# Altium PCB MCH_MAIN.PCBDOC (part 5 of 14) (continued)
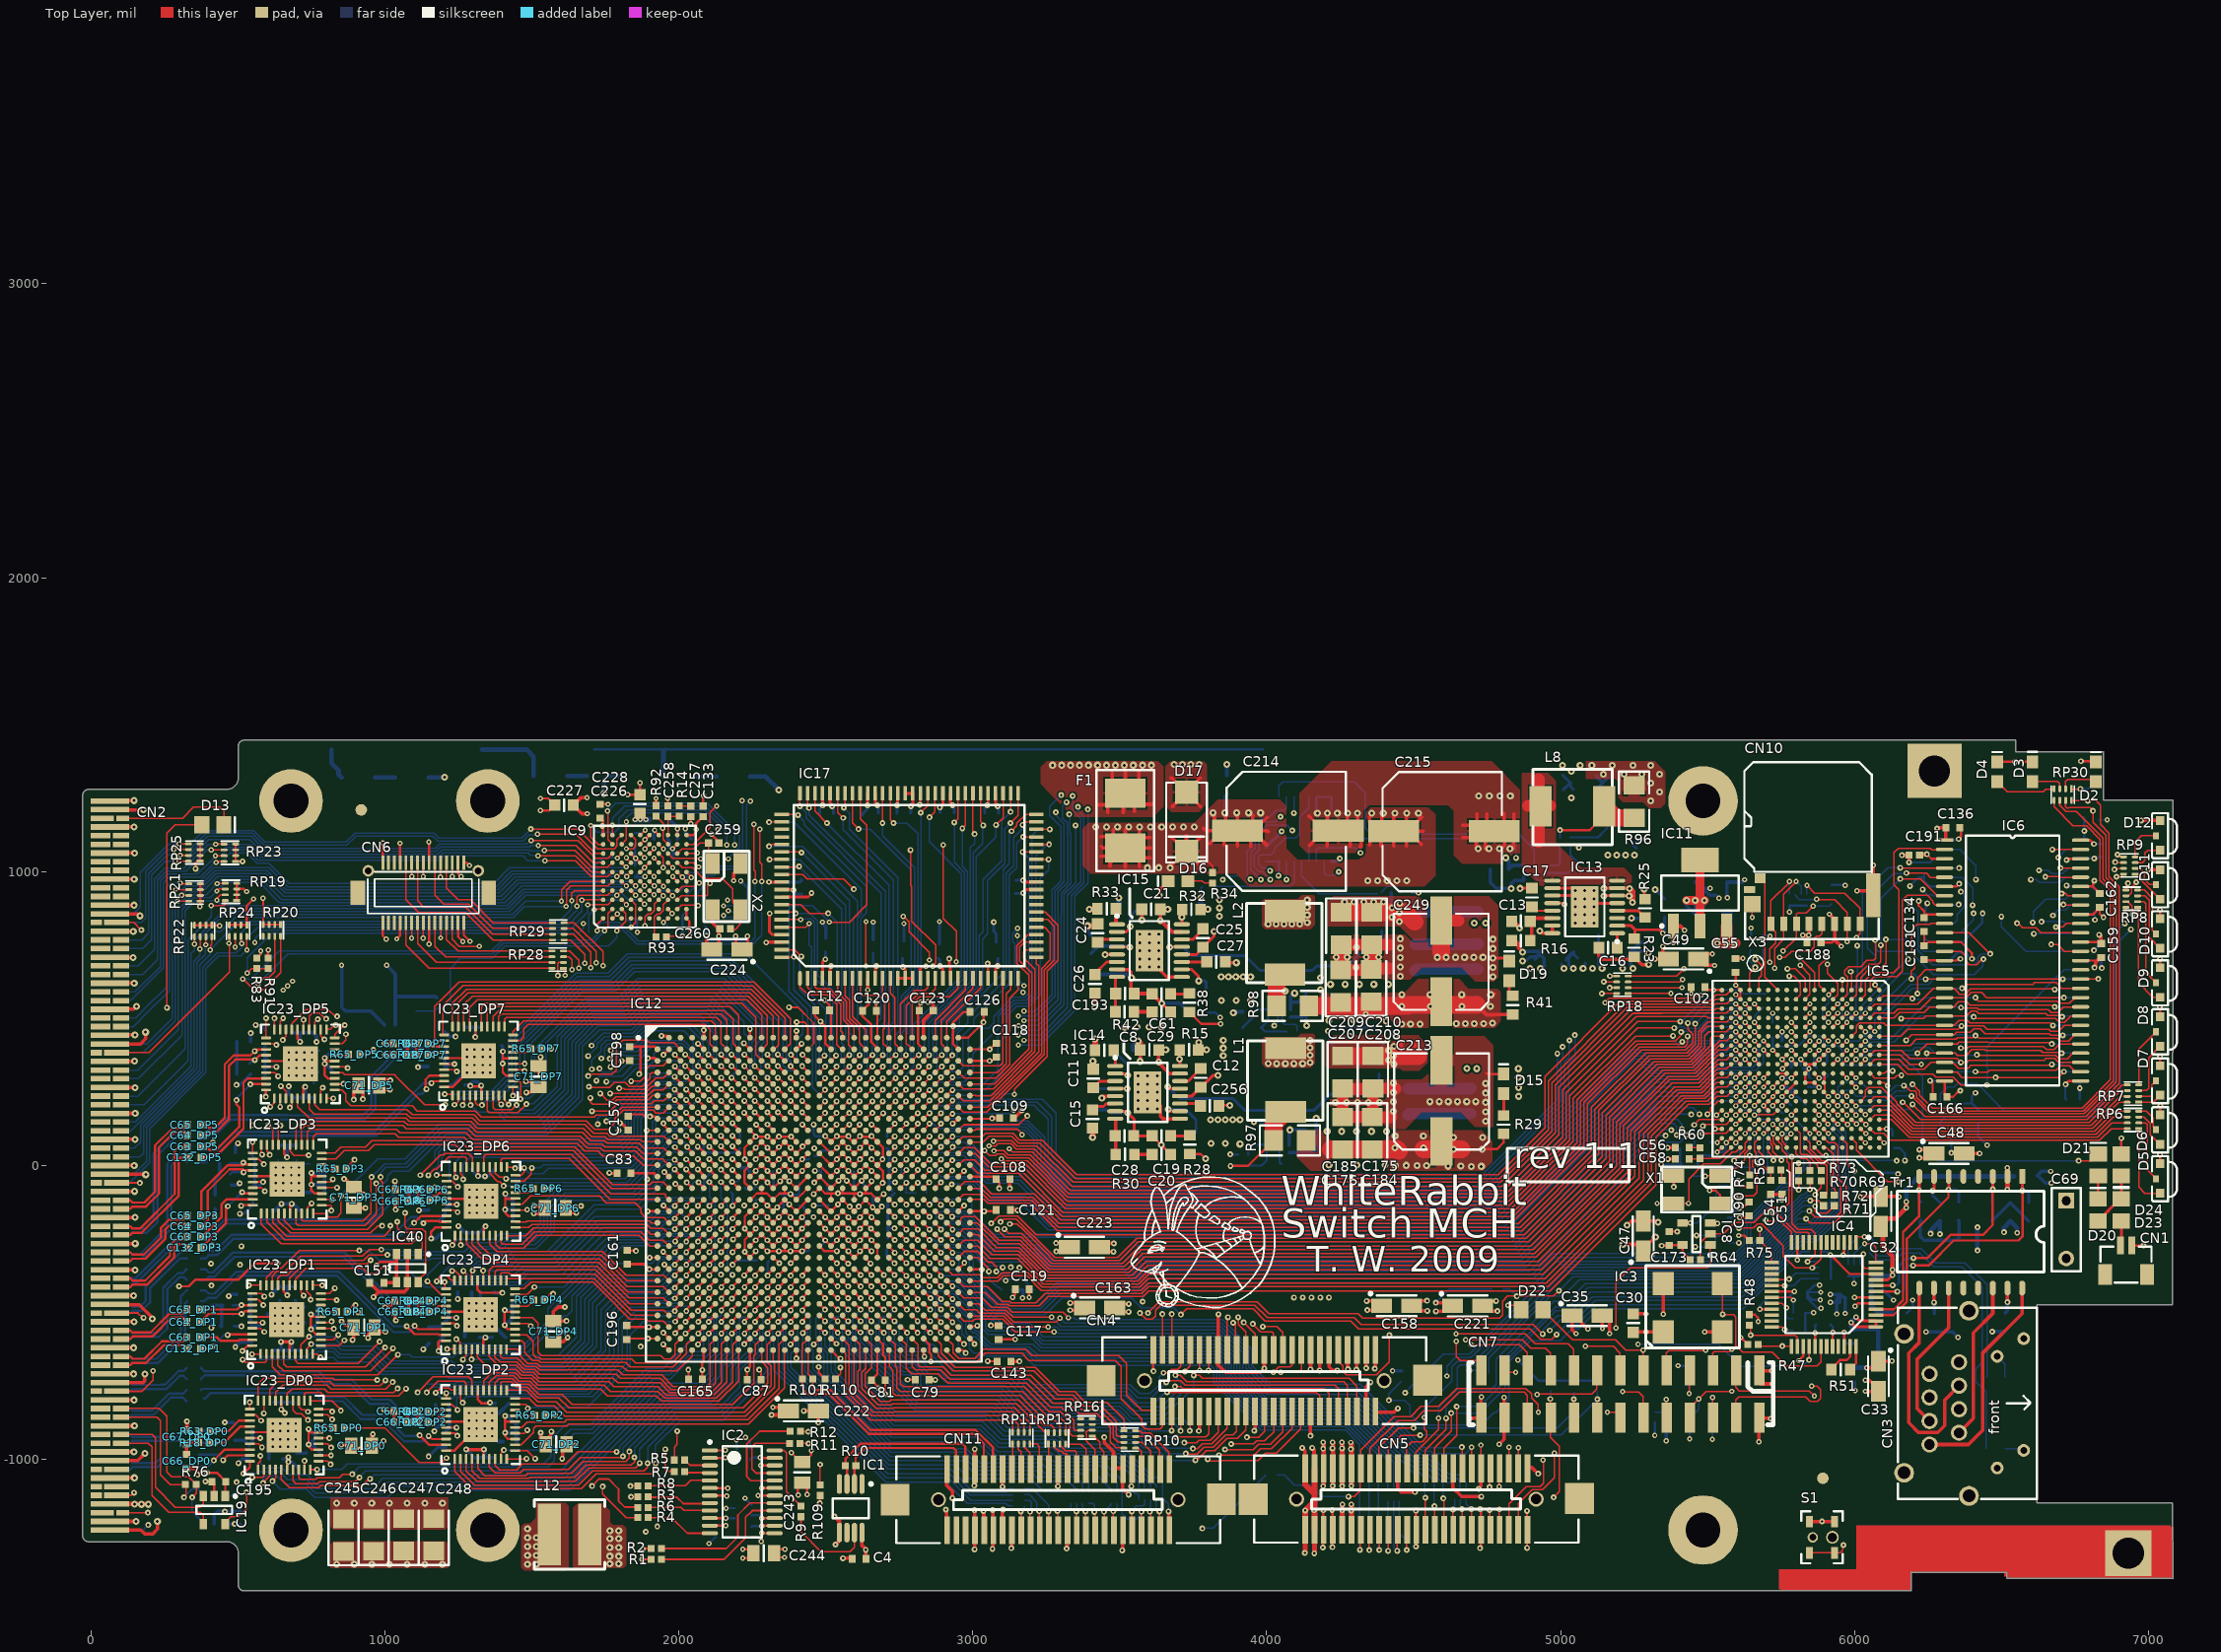
[diagram p0: Top Layer view]
## Nets (pads, with @x,y where several pads share a name; then routed paths per layer and width w, separated by ;. In a path a pad name is that pad's centre, name@x,y a point inside that pad or via, vN(x,y) a via of type N, cw(c..) or ccw(c..) an arc to the next point about the centre after c; other vN are vias at no path point) (continued)
  Top Layer w8: v2(5595.74,486.93) IC5.T5@5611.49,471.18
  Bottom Layer w5: v1(5431.47,439.73) 5436.29,444.56 5478.2,444.56 5520.57,486.93 v2(5595.74,486.93)
CPU_D27: IC5.V3 IC12.R21 | length 3477.4
  Top Layer w5: IC12.R21@2714.95,-116.38 2716.76,-116.38 v1@2732.58,-132.21 ; v2(3056,66.9) 3057,65.9 3076,65.9 3076.5,66.4 3077.95,66.4 3085.45,73.9 3130.33,73.9 3147.45,56.78 3210.32,56.78 3338,-70.9 4799.8,-70.9 4982.2,111.5 4982.2,273.7 5236.57,528.07 5523.59,528.07 5529.37,533.85 IC5.V3@5548.61,533.85
  MidLayer1 w5: v1(2734.55,-133.13) 2784.68,-83 2933.33,-83 2987,-29.33 2987,59.9 3025.5,98.4 3077.53,98.4 3086.61,89.32 3086.61,76.48 3077.03,66.9 v2(3056,66.9)
CPU_D28: IC5.U5 IC12.V23 | length 3286.4
  Top Layer w5: v1(3063,-197.1) 3088.7,-171.4 3152.58,-171.4 3216.48,-235.3 3308.6,-235.3 ; 3308.8,-235.1 3308.6,-235.3 ; IC5.U5@5579.89,471.07 5564.29,455.48 5503.49,455.48 5489.7,441.69 5489.7,401.52 5441.71,353.53 5316.83,353.53 5142,178.7 5142,30.5 4876.2,-235.3 3308.6,-235.3
  Top Layer w8: IC12.V23@2793.69,-234.49 2795.5,-234.49 v1@2811.32,-250.32
  MidLayer1 w5: v1(2813.29,-253.21) 2831.7,-234.8 2974,-234.8 ; 3006,-234.8 2974,-234.8 ; v1(3063,-197.1) 3025.3,-234.8 2974,-234.8
CPU_D29: IC5.V4 IC12.T22 | length 3369.8
  Top Layer w5: v2(3072,49.9) 3073.5,51.4 3074.22,50.68 3105.78,50.68 3121.32,35.15 3196.15,35.15 3327.4,-96.1 4814.01,-96.1 5007,96.89 5007,257.1 5257.33,507.43 5497.2,507.43 5502.53,502.1 5548.36,502.1 IC5.V4@5548.61,502.35
  Top Layer w8: IC12.T22@2754.32,-155.75 v1@2772.11,-173.55
  MidLayer1 w5: v1(2773.92,-174.47) 2795.09,-153.3 2986.8,-153.3 2996,-144.1 2996,-115.1 3040,-71.1 3040,17.9 v2(3072,49.9)
CPU_D30: IC5.R5 IC12.M27 | length 3146.8
  Top Layer w5: IC12.M27@2951.17,1.73 2969.13,19.7 2991.6,19.7 3006.77,19.7 3042.27,-15.8 3163.7,-15.8 3172.3,-24.4 ; 3168.2,-20.3 3172.3,-24.4 ; 5338.68,413.53 5345.6,413.53 ; v1(5413.75,421.03) 5406.25,413.53 5345.6,413.53 ; 3172.3,-24.4 3307.6,-159.7 4835.26,-159.7 5067.4,72.44 5067.4,219.44 5261.49,413.53 5345.6,413.53
  Top Layer w8: v2(5627.24,486.93) IC5.R5@5642.99,471.18
  Bottom Layer w5: v1(5413.75,421.03) 5441.77,421.03 5455.3,434.56 5486.66,434.56 5523.54,471.43 5611.74,471.43 v2(5627.24,486.93)
CPU_D31: IC5.T6 IC12.L27 | length 3126.9
  Top Layer w5: IC12.L27@2951.17,41.1 2951.71,41.1 2971.61,61 3004.9,61 3060.94,4.96 3178.94,4.96 3319.4,-135.5 4825.52,-135.5 5043,81.98 5043,228.98 5254.73,440.72 v1@5382.25,440.72 ; v1@5382.22,440.75 v1(5382.22,441.29)
  Top Layer w8: v2(5595.74,455.44) IC5.T6@5611.49,439.69
  Bottom Layer w5: v1@5382.25,441.26 5382.25,427.78 5406.5,403.53 5438.42,403.53 5459.44,424.56 5534.81,424.56 5565.68,455.44 v2(5595.74,455.44)
CPU_DMARQ: IC5.J16 IC12.Y24 | length 3471.2
  Top Layer w8: IC12.Y24@2833.06,-313.23 2850.85,-331.03 v1@2852.66,-331.03 ; IC5.J16@5832.08,124.4 v2(5847.83,108.65)
  Bottom Layer w5: v1(2852.66,-331.95) 2874.61,-353.9 2939.8,-353.9 3083,-497.1 3237.28,-497.1 3299,-435.38 3548.92,-435.38 3600.2,-384.1 4908.8,-384.1 4980.2,-312.7 5595.4,-312.7 5633.98,-274.12 5633.98,-257.71 ; 5634.21,-257.71 5633.98,-257.71 ; v2(5847.83,108.65) 5847.83,3.3 5771.63,-72.9 5757.49,-72.9 5633.98,-196.4 5633.98,-257.71
CPU_IRQ0: IC5.K14 IC12.Y25 | length 3517.3
  Top Layer w8: IC12.Y25@2872.43,-313.23 2890.06,-330.87 v1@2890.06,-332.99 ; v2(5784.83,171.64) IC5.K14@5800.58,187.39
  Bottom Layer w5: v1(2892.03,-331.95) 2910.67,-313.31 2939.8,-313.31 2952.8,-326.31 2952.8,-350.9 3089,-487.1 3229.83,-487.1 3294,-422.93 3543.77,-422.93 3595.05,-371.65 4903.65,-371.65 4975.6,-299.7 5594.15,-299.7 5623.98,-269.87 5623.98,-192.26 5753.35,-62.9 5767.49,-62.9 5827.67,-2.71 5827.67,128.8 v2(5784.83,171.64)
CPU_IRQ1: IC5.A10 IC12.AA25 | length 4158.9
  Top Layer w5: v1(3708,-507.1) 3727.5,-487.6 3953.5,-487.6 3995.1,-529.2 4286.2,-529.2 4313.4,-556.4 4313.7,-556.1 4897.25,-556.1 4931.75,-590.6 4970.5,-590.6 v1(4986,-575.1) ; IC5.A10@6084.05,313.37 6102.6,313.37 6111.62,322.4 v1(6129.07,322.4)
  Top Layer w8: IC12.AA25@2872.43,-352.6 2872.43,-352.76 v1@2892.03,-372.36
  MidLayer1 w5: v1(6129.07,322.4) 6129.07,307.46 6150.5,286.03 6150.5,226.77 6146.29,222.56 6146.29,208.06 6163.17,191.18 6163.17,39.07 6142,17.9 v1@6142,16.9 ; v1@6142,8.9 v1@6142,16.9 ; v1(6143,15.9) v1@6142,16.9
  Bottom Layer w5: v1(2892.03,-375.25) 2945.15,-375.25 3077,-507.1 3246,-507.1 3303.4,-449.7 3539.6,-449.7 3574,-484.1 3685,-484.1 v1(3708,-507.1) ; v1(4986,-575.1) 5022,-539.1 5058,-539.1 5123.5,-473.6 5619.35,-473.6 5766,-326.95 5766,-308.41 5804.5,-269.91 5804.5,-269.45 5825.35,-248.6 5863.5,-248.6 5980,-132.1 5980,3.9 5994,17.9 v1@6137,17.9
CPU_JNRST: CN7.11 D22.1 IC5.V15 R19.1 | length 1579.3
  Top Layer w5: D22.1@4940.4,-491.1 4940.4,-492.5 5041,-593.1 5187,-593.1 5222,-628.1 5273,-628.1 5280.18,-635.28 CN7.11@5280.18,-698.68 ; v1(5454.27,138.14) 5471.98,155.86 5501.51,155.86 ; 5501.43,156.22 IC5.V15@5548.5,156.22
  MidLayer1 w5: v2(5280,-628.1) 5379,-628.1 5421,-586.1 5421,-556.1 ; 5421,-567.1 5421,-556.1 ; v1(5454.27,138.14) 5454.27,-184.17 5479.64,-209.54 5479.64,-304.1 5421,-362.74 5421,-556.1
  Bottom Layer w5: R19.1@5441.72,57.9 5454.27,70.45 v1(5454.27,138.14)
CPU_JNTRST: CN7.10 IC5.U16 R59.2 R84.1 | length 1289.7
  Top Layer w5: CN7.10@5358.92,-860.1 5358.92,-799.18 v2@5361,-797.1 ; v1(5481.83,108.62) 5499.54,108.62 ; 5493.52,108.95 5561.47,108.95 5577.25,124.73 IC5.U16@5580,124.73
  MidLayer1 w5: v2@5361,-797.1 5441,-797.1 5454,-784.1 5454,-396.16 5513.6,-336.56 5513.6,-201.5 5475,-162.9 5475,72 5482.9,79.9 5482.9,105.76 v1@5483.8,106.65
  Bottom Layer w5: R84.1@5320,-839.38 5358,-839.38 R59.2@5359,-838.38 v2(5359,-796.1)
CPU_JRTCK: CN7.7 IC5.U15 R95.1 | length 1192.1
  Top Layer w5: v2@5437.66,-774.44 CN7.7@5437.66,-698.68 ; v1@5483.9,134.32 v1@5489.7,140.11 ; v1@5489.59,140.44 5563.47,140.44 5579.25,156.22 IC5.U15@5580,156.22
  MidLayer1 w5: v2@5438.5,-775.1 5438.5,-380.4 5494.4,-324.5 5494.4,-204.77 5464.33,-174.7 5464.33,115.87 v1@5482.67,134.21
  Bottom Layer w5: R95.1@5436,-716.82 5436,-774.1 v2(5437,-775.1)
  other v1: 5483.68,134.54
CPU_JTCK: CN7.5 IC5.R17 | length 988.4
  Top Layer w5: CN7.5@5516.4,-698.68 5516.4,-639.7 5522.15,-633.95 5573.05,-633.95 ; v1(5590.14,17.36) 5626.87,54.09 5626.87,76.36 5642.99,92.48 5642.99,92.9 IC5.R17@5642.99,93.23 ; 5573.05,-633.95 v2(5582,-625) 5573.05,-633.95
  MidLayer1 w5: v2(5582,-625) 5643.1,-625 5669.5,-598.6 5669.5,-566.6 5646.5,-543.6 5646.5,-50.4 5602.1,-6 5602.1,5.39 v1(5590.14,17.36)
CPU_JTDI: CN7.6 IC5.P17 R85.1 | length 1153.2
  Top Layer w5: CN7.6@5516.4,-860.1 v2@5516.4,-789.7 ; v1(5607,-104.1) 5656,-104.1 5668,-92.1 5668,-18.1 5653.19,-3.29 5653.19,16.09 5664,26.9 5664,43.9 5659,48.9 5659,77.3 IC5.P17@5674.6,92.9 ; IC5.P17@5674.48,92.48 5674.48,92.9 IC5.P17@5674.48,93.23
  MidLayer1 w5: v2(5517,-789.1) 5470,-742.1 5470,-623.1 5572,-521.1 5572,-139.1 v1(5607,-104.1)
  Bottom Layer w5: R85.1@5516,-839.38 5516,-790.1 v2(5517,-789.1)
CPU_JTDO: CN7.9 IC5.N18 | length 1212.4
  Top Layer w5: CN7.9@5358.92,-698.68 5358.92,-638.18 5368,-629.1 v2(5493,-629.1) ; IC5.N18@5705.98,61.4 5705.98,46.1 5723.84,28.24 v1@5723.84,18.39
  MidLayer1 w5: v2(5493,-629.1) 5533.5,-669.6 5646.5,-669.6 ; 5646,-670.1 5646.5,-669.6 ; v1(5723.7,17.59) v1@5724.92,16.37 ; v1@5724.92,17.1 v1@5724.92,16.37 ; 5646.5,-669.6 5682,-634.1 5682,-593.43 5811.5,-463.93 5811.5,-365.08 5770,-323.57 5770,-28.7 v1@5724.92,16.37
CPU_JTMS: CN7.8 IC5.N17 R86.1 | length 1323.7
  Top Layer w5: CN7.8@5437.66,-860.1 5437.66,-826.44 v2(5470,-794.1) 5495,-769.1 ; 5537,-769.1 5495,-769.1 ; v2(5582,-768.1) 5581,-769.1 5495,-769.1 ; IC5.N17@5705.98,93.23 5705.98,92.9 5707.2,92.9 5714.22,85.88 5714.22,73.61 5721.47,66.36 5721.47,48.33 v1(5751.4,18.39)
  MidLayer1 w5: v2(5582,-768.1) 5695,-655.1 5695,-594.58 5821.7,-467.88 5821.7,-361.13 5799.17,-338.6 5785.6,-325.03 5785.6,-15.81 v1(5751.4,18.39)
  Bottom Layer w5: R86.1@5439,-839.38 5459.72,-839.38 5470,-829.1 v2(5470,-794.1)
CPU_NBS1: IC5.V10 IC12.W27 | length 3047.2
  Top Layer w5: IC12.W27@2951.17,-273.86 2965.14,-259.89 2965.14,-259.64 ; 2962.98,-261.8 2965.14,-259.64 ; IC5.V10@5548.61,313.37 5531.65,313.37 5476.12,257.84 5408,257.84 5395.14,257.84 5251.51,114.21 5251.51,-36.59 4933.29,-354.81 3599.79,-354.81 3561.9,-392.7 3243.43,-392.7 3154.23,-303.5 3065.71,-303.5 3016.13,-253.93 2970.86,-253.93 2965.14,-259.64
CPU_NWAIT: IC5.P6 IC12.H26 | length 3345.6
  Top Layer w5: v1@2927.2,174.61 IC12.H26@2911.8,159.21 v1@2930.42,177.83
  Top Layer w8: v2(5658.74,455.44) IC5.P6@5674.48,439.69
  MidLayer1 w5: v1@5050.05,443.39 v1(5048.31,443.39) 5323.51,443.39 5367.18,399.72 5512.98,399.72 5584.19,470.94 5643.24,470.94 v2(5658.74,455.44)
  Bottom Layer w5: v1(2931.37,176.03) 2943,176.03 2943.48,176.51 3126.84,176.51 3151.95,151.4 3188.25,151.4 3244.2,95.45 3244.2,12.64 3324.54,-67.7 4750.66,-67.7 5026.4,208.04 5026.4,343.9 5048.31,365.81 v1(5048.31,443.39) 5049.07,443.39 v1@5052.42,440.04
CPU_RD: IC5.U10 IC12.W28 | length 3030.9
  Top Layer w5: IC12.W28@2990.54,-273.86 2990.79,-273.61 3017.31,-273.61 3059.4,-315.7 3152.28,-315.7 3239.68,-403.1 3565.64,-403.1 3598.51,-370.23 4939.67,-370.23 5266.93,-42.97 5266.93,112.03 5402.74,247.84 5480.26,247.84 5531.33,298.91 5565.2,298.91 IC5.U10@5580,313.7
CPU_WR: IC5.P11 IC12.U26 | length 3216.3
  Top Layer w8: IC12.U26@2911.8,-195.12 2931.4,-214.73 v1@2931.4,-218.82 ; v2(5658.74,266.46) IC5.P11@5674.38,282.1
  MidLayer1 w5: v1(5412.54,124.36) 5412.54,237.24 5457.26,281.96 5543.23,281.96 5643.24,281.96 v2(5658.74,266.46)
  Bottom Layer w5: v1(2931.4,-217.77) 2962,-217.77 3048.93,-304.7 3200.2,-304.7 3257.8,-362.3 3514.05,-362.3 3566.65,-309.7 4861.86,-309.7 5327.66,156.1 5397,156.1 5412.54,140.56 v1(5412.54,124.36)
CUR_SENSE_1V2: IC21.6 U1.1 | length 1216
  Bottom Layer w5: U1.1@4041.43,1254.15 4041.43,1292.5 4054.23,1305.3 4297.4,1305.3 4334,1268.7 4334,1148.9 4356,1126.9 4858,1126.9 4910,1074.9 4910,982.9 4923,969.9 IC21.6@4950.77,969.9
CUR_SENSE_2V5: IC22.6 U1.5 | length 1553.8
  MidLayer1 w5: v1(3956.5,147.4) 3894.5,209.4 3894.5,428.4 3873,449.9 3839,449.9 3814,474.9 3814,678.98 3865.92,730.9 3865.92,867.6 3921.83,923.5 3921.83,984.87 3929.83,992.87 3996.97,992.87 4007.2,1003.1 v1(4011.3,1003.1)
  Bottom Layer w5: v1(3956.5,147.4) 3990.5,147.4 4001.23,136.67 4001.23,122.9 ; IC22.6@4000.23,95.9 4001.23,96.9 4001.23,122.9 ; 4001.23,118.9 4001.23,122.9 ; v1(4011.3,1003.1) 4002.7,1011.7 3985.37,1011.7 3971.9,1025.17 3971.9,1051 3977.9,1057 4014.6,1057 4026.8,1069.2 4026.8,1078.6 4062.65,1114.45 4098.65,1114.45 4111.6,1127.4 4111.6,1184.2 4143.8,1216.39 U1.5@4143.8,1254.15 ; 4121.8,1195.48 4128.9,1202.58
CUR_SENSE_3V3: IC24.6 U1.2 | length 1185.6
  MidLayer1 w5: v1(3945.4,973.7) 3945.4,928.5 3875.92,859.02 3875.92,720.82 3825.63,670.53 3825.63,553.69 3903.42,475.9 v1(4026,475.9) v1@4027,476.9
  Bottom Layer w5: v1(3945.4,973.7) 3934.2,984.9 3934.2,1069.5 3949.3,1084.6 3949.3,1145.7 3984.1,1180.5 4004.2,1180.5 4031.7,1208 4059.4,1208 4067.02,1215.62 U1.2@4067.02,1254.15 ; IC24.6@4004.23,555.9 4029,555.9 4038.5,546.4 4038.5,488.4 v1(4026,475.9)
D0: IC5.C2 IC6.2 | length 783
  Top Layer w5: IC5.C2@6021.05,565.34 6036.5,580.79 6036.5,631.4 6061,655.9 6133,655.9 6151,673.9 6151,937.9 6134,954.9 6134,1064.9 6148.21,1079.11 6172,1079.11 6257.59,1079.11 6262.7,1074 6304.73,1074 IC6.2@6305.85,1075.12 IC6.2@6305.8,1075.18
D1: IC5.D4 IC6.4 | length 756.4
  Top Layer w5: v1@6155,1015.9 6158.83,1012.07 6159.15,1012.4 6305.58,1012.4 IC6.4@6305.85,1012.13 IC6.4@6305.85,1012.13
  Top Layer w8: IC5.D4@5989.56,502.35 v2(6005.31,518.1)
  Bottom Layer w5: v2(6005.31,518.1) 6005.31,598.44 6027,620.14 6027,926.9 6113,1012.9 v1(6155,1012.9)
D2: IC5.A1 IC6.5 | length 630.6
  Top Layer w5: v1@6071,616.9 6071,609.88 IC5.A1@6084.05,596.84 ; v1(6176,994.9) 6243.74,994.9 6258,980.64 IC6.5@6305.85,980.64 ; IC6.5@6305.85,980.64 6305.8,980.69 IC6.5@6305.85,980.64
  Bottom Layer w5: v1(6070,614.9) 6070,713.9 6044,739.9 6044,905.9 6132,993.9 v1@6175,993.9
D3: IC5.D2 IC6.7 | length 694.3
  Top Layer w5: IC5.D2@5989.56,565.34 6005.68,581.46 6005.68,642.9 6047.68,684.9 6080,684.9 6089,693.9 6089,746.9 6088,747.9 6088,750.9 v1(6089,749.9) ; v1(6155,974.9) 6223.73,974.9 6280.99,917.64 IC6.7@6305.85,917.64 6305.8,917.7 IC6.7@6286.82,917.7
  Bottom Layer w5: v1(6089,749.9) 6088,750.9 6088,907.9 v1(6155,974.9)
D4: IC5.B1 IC6.8 | length 588.5
  Top Layer w5: IC5.B1@6052.55,596.84 6052.55,627.9 6067.55,642.9 6144,642.9 6163,661.9 6163,902.9 6179.58,919.48 6247.65,919.48 6266.95,900.18 6266.95,894.26 6275.06,886.15 IC6.8@6305.85,886.15 IC6.8@6280.99,886.15
D5: IC5.E3 IC6.10 | length 673.4
  Top Layer w5: v1(6193,634.9) 6193,660.9 6204,671.9 6204,717.9 6195,726.9 6195,801.9 6212.94,819.84 6255.95,819.84 6259.26,823.15 IC6.10@6305.85,823.15 ; IC6.10@6294.77,823.15 IC6.10@6305.85,823.15 ; IC6.10@6305.8,823.21 IC6.10@6305.85,823.15
  Top Layer w8: IC5.E3@5958.06,533.85 v2(5973.81,549.59)
  Bottom Layer w5: v2(5973.81,549.59) 5958.31,534.09 5958.31,511.68 5967.89,502.1 5986.65,502.1 5995.16,493.6 6015.45,493.6 6024.45,502.6 6046,502.6 6178.3,634.9 v1(6193,634.9)
D6: IC5.C1 IC6.11 | length 825.5
  Top Layer w5: IC5.C1@6021.95,597.74 IC5.C1@6021.05,596.84 6021.05,639.95 6054,672.9 6092,672.9 6106.5,687.4 6106.5,766.4 v1@6106,766.9 ; IC6.11@6305.8,791.71 IC6.11@6305.85,791.66 6389.24,791.66 v1@6456.11,724.78 ; v1@6106,766.9 v1(6106,768.9) 6105,767.9 v1@6106,766.9
  Bottom Layer w5: v1(6106,768.9) 6105,767.9 6178.74,767.9 6264.14,682.5 6405.97,682.5 6418.53,695.05 6418.53,708.83 6430,720.3 6451.63,720.3 v1@6456.11,724.78
  other v1: 6461.3,720.5
D7: IC5.E2 IC6.13 | length 937.1
  Top Layer w5: IC5.E2@5958.06,565.34 5974.18,581.46 5974.18,611.9 5975.5,613.22 5975.5,641.5 5965.44,651.56 5965.44,663.21 5979.36,677.12 6009.78,677.12 ; 6010,676.9 6021,676.9 6042,697.9 6064,697.9 6071.5,705.4 v1@6071.5,765.4 ; IC6.13@6305.8,728.72 IC6.13@6305.85,728.67 6361.7,728.67 6379.16,711.21 6379.16,695.42 6390.95,683.63 6414.96,683.63 6432.49,701.16 v1@6436.43,701.16 ; v1@6431.79,703.83 6436.06,703.83 v1(6438.03,701.86)
  Bottom Layer w5: v1(6070,766.9) 6070,738.9 6079.94,728.96 6189.15,728.96 6268.5,649.6 6407.85,649.6 6436.06,677.81 6436.06,703.83 v1(6438.03,701.86)
D8: IC5.E4 IC6.42 | length 972.6
  Top Layer w5: v1(6668.71,752.34) 6690.36,752.34 6714.04,728.67 IC6.42@6768.84,728.67
  Top Layer w8: IC5.E4@5958.06,502.35 v2(5973.81,518.1)
  MidLayer1 w5: v1(6182,701.9) 6300.07,701.9 6319.73,682.24 6533.04,682.24 6578.1,727.3 6643.67,727.3 v1(6668.71,752.34)
  Bottom Layer w5: v2(5973.81,518.1) 5983.39,518.1 5998.89,502.6 6011.73,502.6 6021.3,512.17 6021.3,541.2 6178,697.9 6182,697.9 v1(6182,701.9)
D9: IC5.F3 IC6.44 | length 1070.2
  Top Layer w5: v1(6552.5,824.2) 6556,824.2 6571.6,808.6 6616.71,808.6 6633.65,791.66 IC6.44@6768.84,791.66
  Top Layer w8: IC5.F3@5926.57,533.85 v2(5942.31,549.59)
  MidLayer1 w5: v1(6009,747.9) 6024.8,732.1 6095.95,732.1 6150.75,786.9 6180.34,786.9 6381.55,786.91 6398.92,804.28 6532.58,804.28 v1(6552.5,824.2)
  Bottom Layer w5: v2(5942.31,549.59) v2@5943,550.28 ; v2@5942.6,549.3 5943,549.7 v2@5943,550.28 ; v1@6007,745.9 v1(6009,747.9) 6009,616.28 v2@5943,550.28
D10: IC5.D1 IC6.45 | length 928.2
  Top Layer w5: v1(5986.61,659.62) 5992.01,659.62 5992.45,659.18 5989.56,656.29 IC5.D1@5989.56,596.84 ; v1(6684.46,811.4) 6708.13,811.4 6719.89,823.15 IC6.45@6768.84,823.15
  MidLayer1 w5: v1(5986.61,659.62) 5999.03,672.05 6120.75,672.05 6175.6,726.9 6354.89,726.9 6430.66,726.91 6443.26,739.51 6627.34,739.51 6672.65,784.82 6672.65,799.59 v1(6684.46,811.4)
D11: IC5.F4 IC6.47 | length 1173.9
  Top Layer w5: v1@6708.91,886.15 IC6.47@6768.84,886.15
  Top Layer w8: IC5.F4@5926.57,502.35 v2(5942.31,518.1)
  MidLayer1 w5: v2(5942.31,518.1) 5942.31,521.25 5946.16,525.09 5952.46,525.09 5961.46,534.09 5980.23,534.09 6011.53,565.39 6098.74,565.39 6185.75,652.4 6292.36,652.4 6302.52,642.24 6567.3,642.24 ; 6575.28,642.24 6567.3,642.24 ; v1(6710.05,888.17) 6731.43,888.17 6743.3,876.3 6743.3,729.7 6689.8,676.2 6615.2,676.2 6581.24,642.24 6567.3,642.24
D12: IC5.F5 IC6.48 | length 1281.1
  Top Layer w5: v1@6703.2,925.5 6717,925.5 6724.86,917.64 IC6.48@6768.84,917.64 IC6.48@6766.94,919.55
  Top Layer w8: IC5.F5@5926.57,470.85 v2(5942.31,486.6)
  MidLayer1 w5: v2(5942.31,486.6) 5958.31,502.6 6011.73,502.6 6021.3,512.17 6021.3,524.52 6030.38,533.6 6107.45,533.6 6189.15,615.3 6316.6,615.3 6346.66,585.24 6379.34,585.24 6398.55,604.45 6571.65,604.45 6630.4,663.2 6696.5,663.2 6757.8,724.5 6757.8,887.1 6743.96,900.94 ; v1@6700.8,924.9 6720,924.9 6743.96,900.94 ; 6739.85,905.05 6743.96,900.94
  other v1: 6704.5,925.4
D13: IC5.F2 IC6.50 | length 1179.1
  Top Layer w5: v2(5908,684.9) 5908,654 5942.4,619.6 5942.4,581.18 IC5.F2@5926.57,565.34 ; v1@6652.96,982.66 6696.16,982.66 6698.19,980.64 IC6.50@6768.84,980.64 IC6.50@6768.79,980.69
  MidLayer1 w5: v2(5908,684.9) 5945.2,722.1 6100.09,722.1 6154.89,776.9 6184.48,776.9 6385.69,776.91 ; 6386.24,777.46 6385.69,776.91 ; v1@6648.16,982.66 v1@6652.96,982.66 ; v1(6648.6,982.2) 6648.6,928.23 6578.16,857.79 6578.16,822 6550.44,794.28 6403.07,794.28 6385.69,776.91
D14: IC5.G4 IC6.51 | length 1311.3
  Top Layer w5: v1(6700.21,1012.18) 6768.79,1012.18 IC6.51@6768.84,1012.13
  Top Layer w8: IC5.G4@5895.07,502.35 v2@5909.18,516.46
  MidLayer1 w5: v2(5910.76,516.46) 5913.91,516.46 5931.54,534.09 5948.73,534.09 5958.08,543.44 5958.08,555.79 5977.69,575.39 6094.6,575.39 6181.61,662.4 6296.5,662.4 6306.6,652.3 ; 6307.31,652.24 6571.14,652.24 6608.41,689.5 6680.7,689.5 6730.7,739.5 6730.7,840.34 6702.37,868.67 ; v1@6699.8,1011.7 6699.8,962.4 6687.2,949.8 6687,949.6 6687,883.64 6701.97,868.67
D15: IC5.E1 IC6.53 | length 1207.5
  Top Layer w5: IC5.E1@5958.06,596.84 v1@5958.06,630.31 ; v1(6672.65,1075.18) 6713.99,1075.18 ; 6714.04,1075.12 IC6.53@6768.84,1075.12
  MidLayer1 w5: v1@5957.8,635.5 5957.8,635.3 v1@5956.11,636.99 ; v1(5958,631.9) 5956.53,631.9 5956.11,632.32 v1@5956.11,636.99 ; 6001.81,682.05 6004.21,682.05 ; 6402.83,737.47 6402.26,736.91 ; v1(6672.65,1075.18) 6672.65,1055.15 6666.6,1049.1 6666.6,881.28 6655.12,869.8 6655.12,791.91 6613.48,750.28 6415.63,750.28 6402.26,736.91 ; v1@5956.11,636.99 5956,637.1 5956,656.7 5981.35,682.05 6004.21,682.05 ; 6004.21,682.05 6116.61,682.05 6171.46,736.9 6201.05,736.9 6402.26,736.91
D16: IC5.H7 IC7.2 | length 1458.1
  Top Layer w8: IC5.H7@5863.57,407.86 v2(5879.32,423.61)
  MidLayer1 w5: v2@5881.33,425.61 5881.33,510.53 5961.6,590.8 6095.87,590.8 6177.47,672.4 6300.64,672.4 6310.81,662.24 6560.94,662.24 6599.9,701.2 6670.6,701.2 6717.9,748.5 6717.9,836.06 6677,876.96 6677,1032.28 v1(6692.33,1047.62)
  Bottom Layer w5: v1(6692.33,1047.62) 6719.84,1075.12 IC7.2@6765.85,1075.12
D17: IC5.G1 IC7.4 | length 1201.4
  Top Layer w5: IC5.G1@5895.07,596.84 5879.2,612.71 5879.2,679.43 v2@5907,707.23
  MidLayer1 w5: v2(5907,707.9) 5907,722.23 5981.67,796.9 6176.2,796.9 ; 6150.99,796.91 6377.41,796.91 6394.78,814.28 6513.58,814.28 6627.37,928.07 v1(6627.37,1004.31)
  Bottom Layer w5: v1(6627.37,1004.31) 6658.89,1004.31 6670.7,992.5 6708.1,992.5 6727.73,1012.13 IC7.4@6765.85,1012.13
D18: IC5.J5 IC7.5 | length 1316.9
  Top Layer w8: IC5.J5@5832.08,470.85 v2(5847.83,486.6)
  MidLayer1 w5: v2(5847.83,486.6) 5847.83,495.27 5822.33,520.77 5822.33,580.11 5822.33,588.77 5890.5,656.94 5890.5,719.88 5983.23,812.6 6378.96,812.6 6390.64,824.28 6504.45,824.28 6599.81,919.65 v1(6599.81,972.81)
  Bottom Layer w5: v1(6599.81,972.81) 6618.89,972.81 6628.54,963.16 6698.72,963.16 6716.2,980.64 IC7.5@6765.85,980.64
D19: IC5.J4 IC7.7 | length 1169.7
  Top Layer w8: IC5.J4@5832.08,502.35 v2(5847.83,518.1)
  MidLayer1 w5: v2(5847.83,518.1) 5832.33,533.6 5832.33,584.63 5959.8,712.1 6104.23,712.1 6159.03,766.9 6188.63,766.9 ; 6188.64,766.91 6389.83,766.91 ; 6390.31,767.39 6389.83,766.91 ; v1(6605.72,827.15) 6605.72,821.26 6568.74,784.28 6407.21,784.28 6389.83,766.91
  Bottom Layer w5: v1@6607.69,829.11 6607.69,863.54 6650.24,906.1 6717.6,906.1 6729,917.5 6746,917.5 IC7.7@6747,918.5
D20: IC5.J8 IC7.8 | length 1307.3
  Top Layer w8: IC5.J8@5832.08,376.37 v2(5847.83,392.11)
  MidLayer1 w5: v2(5847.83,392.11) 5863.82,408.11 5863.82,436.45 5872.33,444.96 5872.33,516.22 5998.23,642.12 6119.24,642.12 6159.52,682.4 6305.43,682.4 6315.59,672.24 6549.07,672.24 6590.25,713.42 6657.36,713.42 6703.96,760.01 6703.96,821.9 v1@6675.09,850.77
  Bottom Layer w5: v1(6674.62,850.77) 6692.52,868.67 6718.13,868.67 6729.55,880.09 6729.55,882.06 6733.64,886.15 IC7.8@6765.85,886.15
D21: IC5.J7 IC7.10 | length 1222.2
  Top Layer w8: IC5.J7@5832.08,407.86 v2(5847.83,423.61)
  MidLayer1 w5: v2(5847.83,423.61) 5847.83,433.19 5863.33,448.69 5863.33,578.17 5977.21,692.05 6112.47,692.05 6167.32,746.9 6196.91,746.9 6398.12,746.91 ; 6398.75,747.55 6398.12,746.91 ; v1(6635.25,829.11) 6635.25,786.19 6613.34,764.28 6415.49,764.28 6398.12,746.91
  Bottom Layer w5: v1(6635.25,829.11) 6639,832.86 6641.95,829.91 6642.93,830.9 6708.21,830.9 6715.95,823.15 IC7.10@6765.85,823.15
D22: IC5.J3 IC7.11 | length 1061.2
  Top Layer w8: IC5.J3@5832.08,533.85 v2(5847.83,549.59)
  MidLayer1 w5: v2@5847.83,550.7 v2(5847.83,549.59) 5847.83,581.73 5968.15,702.05 6108.32,702.05 6163.17,756.9 6192.77,756.9 6393.98,756.91 ; 6394.48,757.42 6393.98,756.91 ; v1(6609.61,788.13) 6595.77,774.28 6581.08,774.28 6578.6,774.28 6411.35,774.28 6393.98,756.91
  Bottom Layer w5: v1(6609.61,788.13) 6762.32,788.13 IC7.11@6765.85,791.66
D23: IC5.J6 IC7.13 | length 1339.4
  Top Layer w8: IC5.J6@5832.08,439.36 v2(5847.83,455.11)
  MidLayer1 w5: v2(5847.83,455.11) 5818.33,484.6 5818.33,512.03 5812.33,518.04 5812.33,593.93 5880.1,661.7 5880.1,723.62 5979.09,822.6 6374.82,822.6 6386.5,834.28 6486.87,834.28 v1(6499.42,846.83)
  Bottom Layer w5: v1(6499.42,846.83) 6499.42,812.48 6583.23,728.67 IC7.13@6765.85,728.67
D24: IC5.H1 IC7.42 | length 909.5
  Top Layer w5: v2(5812,705.9) 5813.33,705.9 5863.57,655.66 5863.57,618.9 IC5.H1@5863.57,596.84
  MidLayer1 w5: v2(5812,705.9) 5812,726.9 5807.5,731.4 5807.5,784.9 5807.5,803.4 5850.5,846.4 5874.12,846.4 5919.82,892.11 v1(6188.4,892.11)
  Bottom Layer w5: v1(6188.4,892.11) 6215.96,864.55 6215.96,748.47 6235.7,728.72 6302.81,728.72 IC7.42@6302.86,728.67 IC7.42@6313.95,728.67
D25: IC5.K8 IC7.44 | length 1132.5
  Top Layer w8: v2(5784.83,392.11) IC5.K8@5800.58,376.37
  MidLayer1 w5: v2(5784.83,392.11) 5809.33,416.61 5809.33,508.31 5792.7,524.94 5792.7,589.8 5870.1,667.2 5870.1,727.76 5974.94,832.6 6316.9,832.6 6343.8,859.5 6400.6,859.5 v1@6401.8,858.3
  Bottom Layer w5: IC7.44@6302.86,791.66 6324.17,791.66 6360.76,791.66 6404.2,835.1 v1@6404.2,854.5
  other v1: 6404.6,857.9
D26: IC5.J2 IC7.45 | length 993
  Top Layer w5: v2@5816.6,679.1 5847.9,647.8 5847.9,581.91 5832.08,566.09 IC5.J2@5832.08,565.34
  MidLayer1 w5: v2(5815,680.9) 5829.37,695.27 5829.37,719.9 ; 5829.37,717.27 5829.37,719.9 ; v1(6361.62,931.48) 6347.82,917.67 6330.46,917.67 6285.4,872.6 5958.38,872.6 5829.37,743.6 5829.37,719.9
  Bottom Layer w5: IC7.45@6318.37,823.15 IC7.45@6302.86,823.15 6337.95,823.15 6348.03,833.24 6348.03,854.87 6373.25,880.09 6373.25,919.85 v1(6361.62,931.48)
D27: IC5.K5 IC7.47 | length 946.4
  Top Layer w8: v2(5784.83,486.6) IC5.K5@5800.58,470.85
  MidLayer1 w5: v2@5783.33,488.11 v2(5784.83,486.6) 5784.83,502.67 5767.7,519.8 5767.7,594.4 5850.1,676.8 5850.1,736.05 5966.66,852.6 6293.68,852.6 6329.25,888.17 v1@6349.81,888.17 ; 6341.94,888.17 v1@6349.81,888.17 ; v1@6351.78,888.17 v1@6349.81,888.17 ; v1@6351.78,888.17 v1(6353.75,888.17)
  Bottom Layer w5: IC7.47@6302.86,886.15 v1@6359.6,886.15
D28: IC5.K2 IC7.48 | length 856.7
  Top Layer w5: v1(5777.5,644) 5793.6,644 5815.96,621.64 5815.96,580.72 IC5.K2@5800.58,565.34
  MidLayer1 w5: v1(5777.5,644) 5792.2,658.7 5792.2,688.3 5786.9,693.6 5786.9,796.94 5846.36,856.4 5869.98,856.4 5916.48,902.9 6171,902.9 6191.76,923.66 6199.79,923.66 6215.47,939.35 v1(6231.7,939.35) v1@6231.7,937.38
  Bottom Layer w5: v1@6231.7,937.38 6247.45,921.63 6263.2,921.63 6267.14,917.7 6302.81,917.7 IC7.48@6302.86,917.64
D29: IC5.K7 IC7.50 | length 1156.4
  Top Layer w8: v2(5784.83,423.61) IC5.K7@5800.58,407.86
  MidLayer1 w5: v2(5784.83,423.61) 5800.33,439.11 5800.33,504.58 5779.5,525.41 5779.5,591.2 5860.1,671.8 5860.1,731.9 5970.8,842.6 6310.52,842.6 6338.58,870.67 6363.17,870.67 6365.6,873.1 ; 6365.5,873.2 6377.4,885.1 6400.6,885.1 v1@6401,885.5
  Bottom Layer w5: IC7.50@6302.86,980.64 6367.6,980.64 6402.8,945.44 v1@6402.8,887.1
  other v1: 6401.4,885.5
D30: IC5.J1 IC7.51 | length 969.4
  Top Layer w5: v1(5771.4,669.3) 5799,669.3 ; 5799.2,669.1 5832.08,636.22 IC5.J1@5832.08,596.84
  MidLayer1 w5: v1@5771,669.7 5774.05,672.75 5774.05,798.23 5842.22,866.4 5865.83,866.4 5912.33,912.9 6155,912.9 ; 6152,912.9 6155,912.9 ; v1(6355.72,1012.18) 6322.72,979.18 6241.17,979.18 6195.64,933.66 6186.76,933.66 6166,912.9 6155,912.9
  Bottom Layer w5: IC7.51@6302.86,1012.13 6302.91,1012.18 v1(6355.72,1012.18)
D31: IC5.K6 IC7.53 | length 1223.5
  Top Layer w8: v2(5784.83,455.11) IC5.K6@5800.58,439.36
  MidLayer1 w5: v2(5784.83,455.11) 5755.9,484.04 5755.9,597.65 5839.37,681.12 5839.37,739.46 5962.52,862.6 6289.54,862.6 6334.6,907.67 6365.39,907.67 6375.96,918.24 ; 6381.12,923.4 6375.96,918.24 ; v1(6412.57,972.88) 6412.57,954.84 6375.96,918.24
  Bottom Layer w5: IC7.53@6302.86,1075.12 6302.91,1075.18 6358,1075.18 6412.5,1020.68 6412.5,971.5 6412.3,971.7 v1@6411.4,971.7
DBG_RXD: CN7.3 IC5.A11 | length 1543.1
  Top Layer w5: CN7.3@5595.14,-698.68 5595.14,-754.24 5608,-767.1 5846,-767.1 v2(5863.13,-784.23) ; IC5.A11@6084.05,281.88 6100.42,281.88 v1@6110.4,271.9
  MidLayer1 w5: v2(5863.13,-784.23) 6081.5,-565.86 6081.5,-220.67 6099.9,-202.27 6099.9,26.66 6133.17,59.93 6133.17,178.75 6112.58,199.34 6112.58,270.12 6111.6,271.1 v1(6112,271.5)
DBG_TXD: CN7.4 IC5.E10 | length 1665.6
  Top Layer w5: CN7.4@5595.14,-860.1 5595.14,-797.96 5606,-787.1 5833,-787.1 5849,-803.1 5874,-803.1 5884,-793.1 5884,-762.1 5872,-750.1 v2(5854,-750.1)
  Top Layer w8: IC5.E10@5957.95,313.7 5958.17,313.48 v2(5973.7,297.95)
  MidLayer1 w5: v2@5850,-750.1 v2(5854,-750.1) 5868.97,-750.1 6061.5,-557.57 6061.5,-212.39 6079.9,-193.99 6079.9,32.7 6079.9,35.31 6079.9,213.46 6010.9,282.45 5989.2,282.45 v2(5973.7,297.95)
DCLK: IC12.P3 R69.1 R109.1 | length 5760
  Top Layer w5: R109.1@2481,-1087.38 v1(2481,-1017.1) ; v1(5866,-99.1) 5866,-94.1 5886,-74.1 R69.1@5886,-52.82
  Top Layer w8: v1@1991.91,-62.64 IC12.P3@2006.28,-77.01
  MidLayer1 w5: v1(1988.94,-62.64) 2018.8,-92.5 2162.08,-92.5 2206.24,-136.66 2206.24,-298.56 2217.84,-310.16 2291.06,-310.16 2332,-351.1 2390,-351.1 2400,-361.1 2400,-384.1 2409,-393.1 2423.31,-393.1 2438.48,-408.27 2438.48,-576.77 2416.49,-598.76 2416.49,-680.61 2404,-693.1 2404,-894.35 2434.75,-925.1 2457,-925.1 2469,-937.1 2469,-1005.1 v1(2481,-1017.1) ; v1@2480.4,-1017.7 2709.9,-1247.2 3740.7,-1247.2 3772.4,-1215.5 3920.1,-1215.5 3967.6,-1263 4345.22,-1263 4456.72,-1151.5 4546,-1151.5 4554,-1143.5 ; 4554,-1148.1 4554,-1143.5 ; v2(4613,-716.1) 4566.8,-762.3 4566.8,-1130.7 4554,-1143.5
  Bottom Layer w5: v2(4613,-716.1) 4613,-683.1 4642,-654.1 4696,-654.1 5003.52,-346.58 5604.52,-346.58 5666,-285.1 5666,-266.99 5704.5,-228.49 ; 5704.5,-228.03 5822.14,-110.4 5832.96,-110.4 5841.75,-101.6 5863.5,-101.6 v1(5866,-99.1)
DMTDCLK_MAIN+: CN11.9 IC12.AG14 R101.2 | length 956.4
  Top Layer w5: R101.2@2420.68,-725.5 2420.68,-607.49 IC12.AG14@2439.36,-588.82
  Top Layer w8: R101.2@2420.68,-725.5 2420.68,-759.78 2438,-777.1 2511,-777.1 2646.8,-912.9 3004.2,-912.9 3037.77,-946.47 CN11.9@3037.77,-1029.77
DMTDCLK_MAIN-: CN11.11 IC12.AH14 R101.1 | length 902.3
  Top Layer w5: IC12.AH14@2439.36,-628.19 2439.36,-708.74 R101.1@2456.12,-725.5
  Top Layer w8: R101.1@2456.12,-725.5 2456.12,-755.82 2463.6,-763.3 2494.2,-763.3 2515.58,-763.3 2651.98,-899.7 3009.38,-899.7 3069.27,-959.58 CN11.11@3069.27,-1029.77